# Altium PCB STM32F103最小系统板V1_0.PcbDoc (part 1 of 2) (continued)
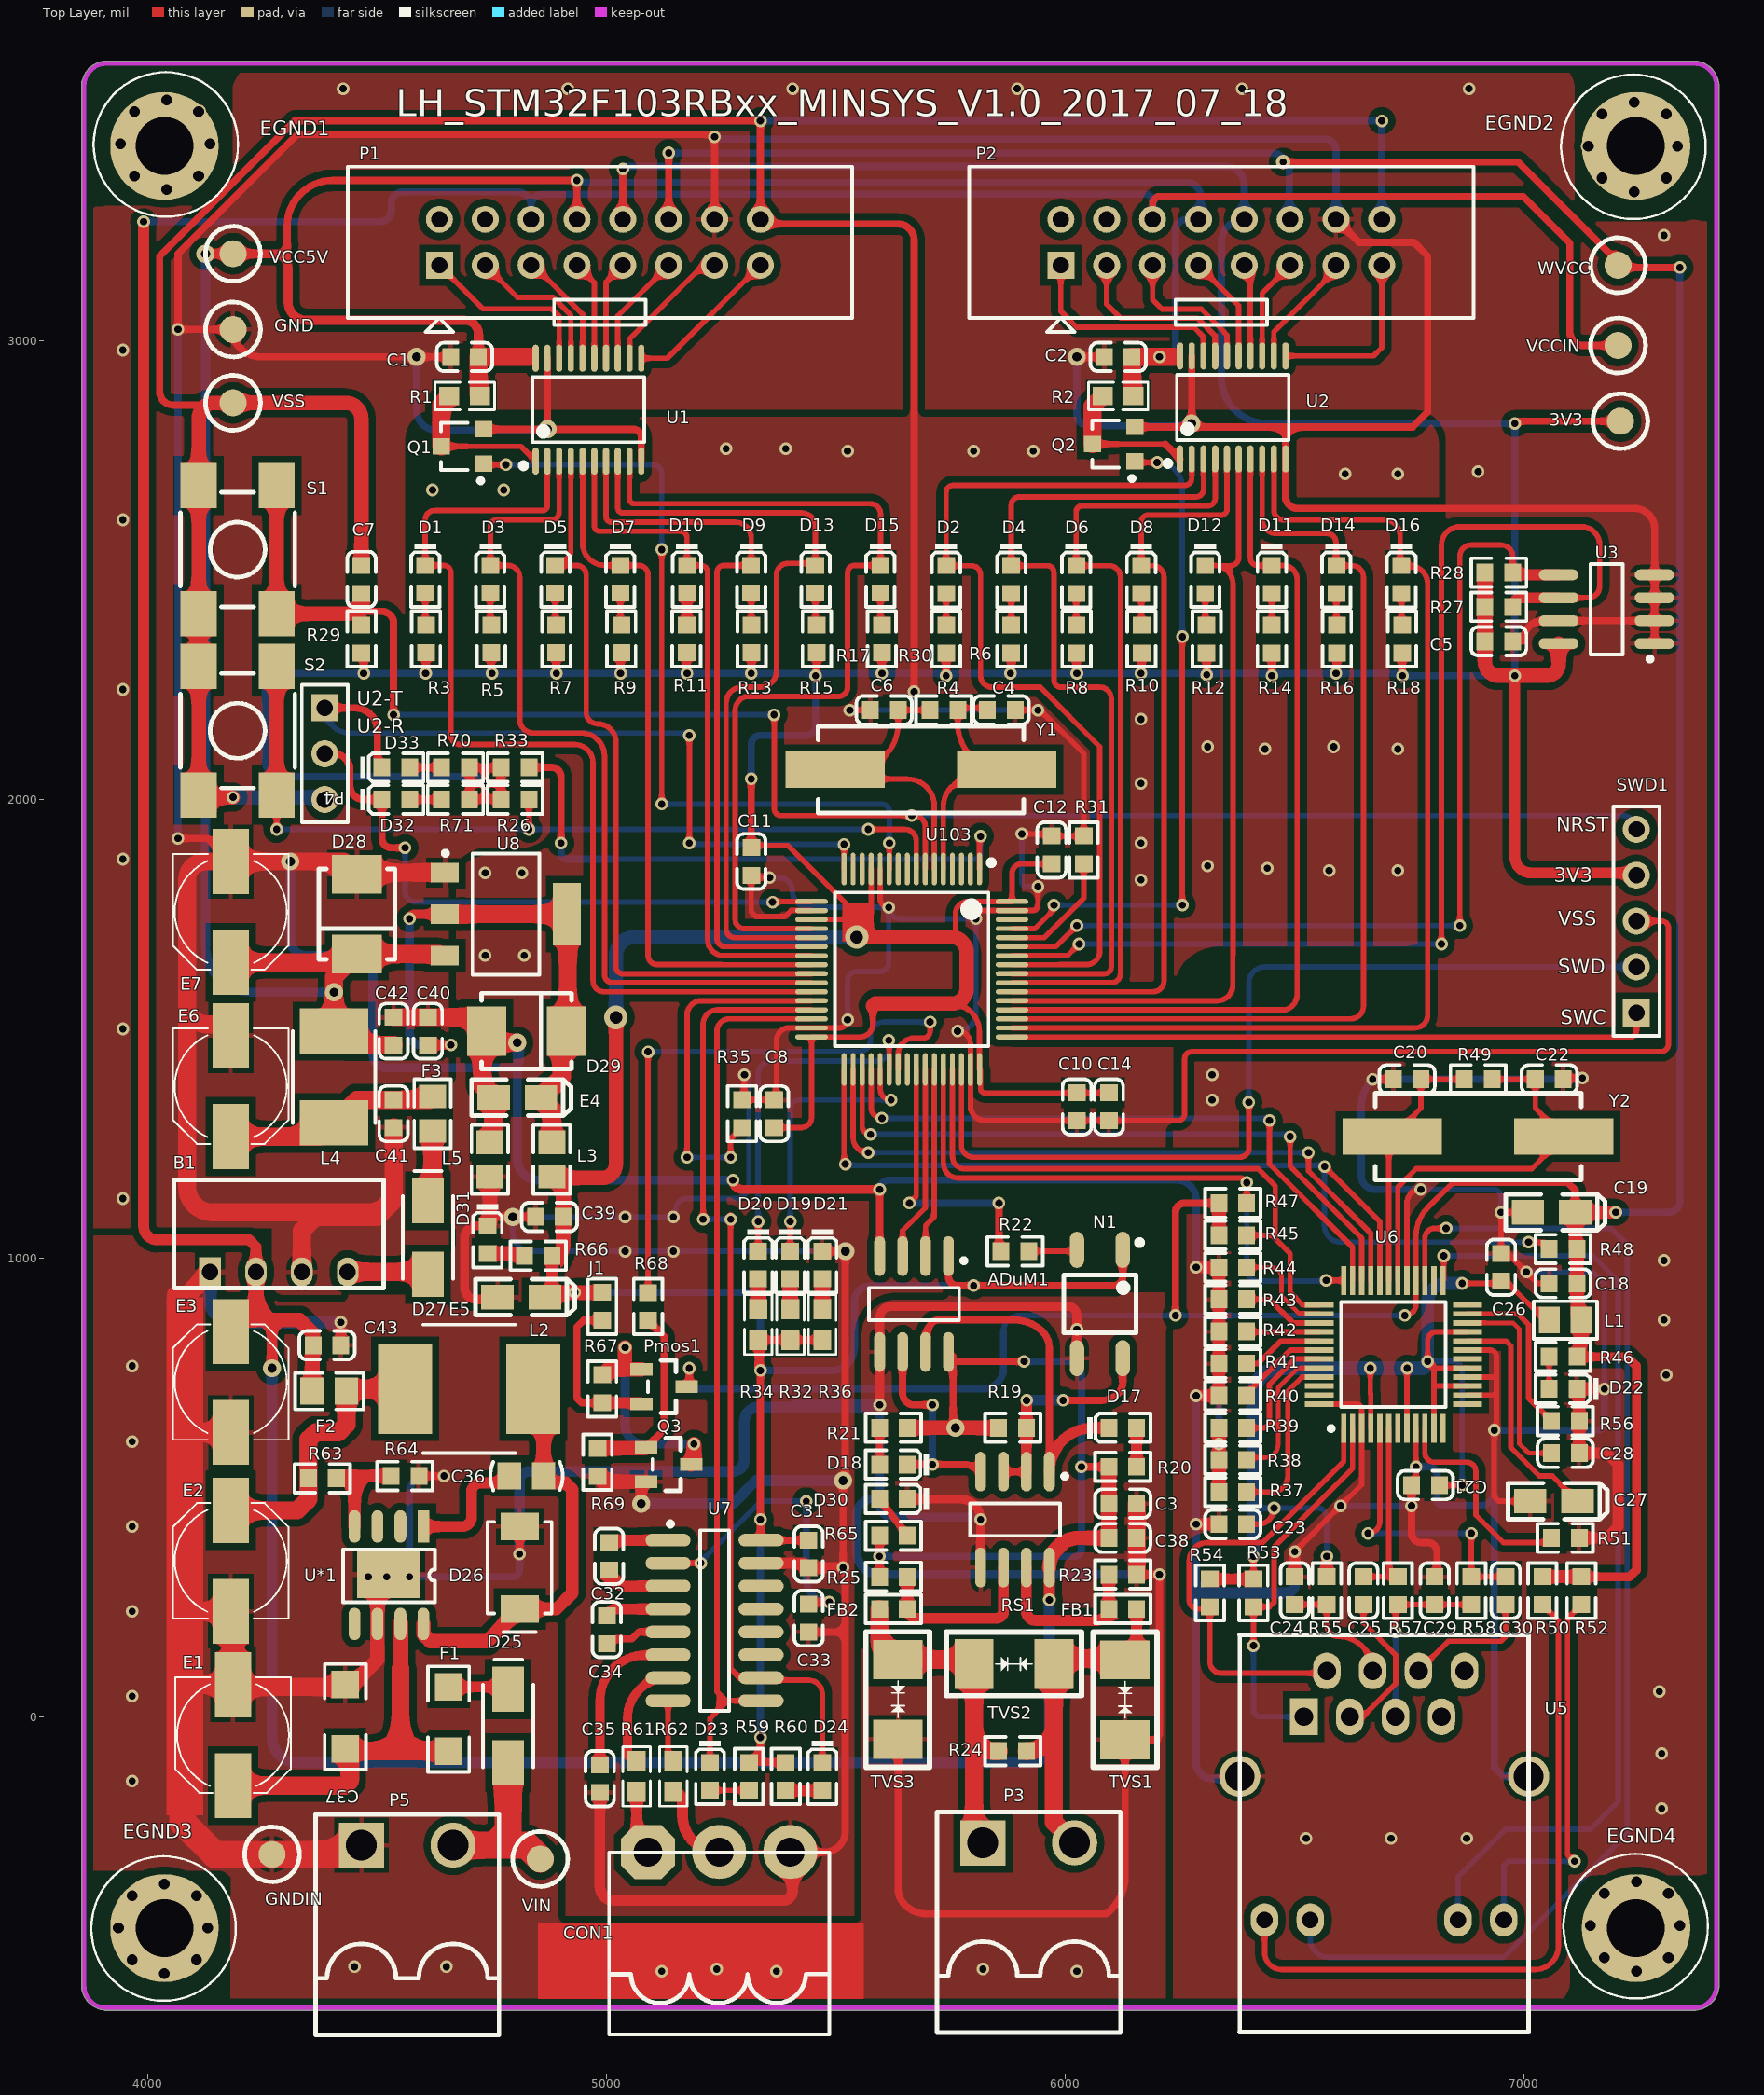
[diagram p0: Top Layer view]
## Footprints (in the part's own frame and the unit in brackets; to place one, negate y for a bottom-side part, rotate by r counter-clockwise, add the part's x,y. Pads: shape width x height; smd on the part's side, far side on the other; paste and mask are expansions set on the pad)
0603-1 [mm] "0603带丝印"
  rect 1.1x1 smd: 1(-0.85,0) 2(0.85,0)
  silkscreen extent -1.65,-0.76 1.65,0.76, body extent -0.8,-0.4 0.8,0.4, height 0.3
0805-1 [mm] "0805带丝印"
  rect 1.3x1.5 smd: 1(-0.95,0) 2(0.95,0)
  silkscreen extent -1.91,-1.02 1.91,1.02, body extent -1,-0.62 1,0.63, height 0.5
1206 [mil] "贴片元件"
  rect 60x60 smd: 1(-70,0) 2(70,0)
  silkscreen extent -115,-45 115,45, body extent -75,-35 75,35, height 39
B0505D-1WR2 [mm]
  rect 1.2x1.6 hole 0.9: 1(0,0)
  oval 1.2x1.6 hole 0.9: 2(2.54,0) 3(5.08,0) 4(7.62,0)
  silkscreen extent -1.99,-0.9 9.61,5.1
C-0805 [mm] "贴片电容"
  rect 1.3x1.5 smd: 1(-0.95,0) 2(0.95,0)
  silkscreen extent -2,-0.79 2,0.79, body extent -1,-0.6 1,0.6, height 0.95
C-RB-SD6 [mm] "贴片铝电解"
  rect 3.6x2 smd: 1(-2.794,0) 2(2.794,0)
  silkscreen extent -3.2,-3.2 3.2,3.2
CHECK-B [mm] "测试点"
  round 1.5 smd: 1(0,0)
  silkscreen extent -1.52,-1.52 1.52,1.52
D-SMA [mm] "贴片二极管"
  rect 2.5x1.75 smd: 1(-2.032,0) 2(2.032,0)
  silkscreen extent -2.29,-1.4 3.68,1.4
D-SMB [mil] "DO-214-AA/SMB;"
  rect 60x83 smd: 1(-90,0) 2(90,0)
  silkscreen extent -100,-70 140,70
DC3-16P-2.54mm [mm] "简易牛角座直"
  rect 1.5x1.5 hole 0.9: 1(8.89,1.27)
  round 1.5 hole 0.9: 2(8.89,-1.27) 3(6.35,1.27) 4(6.35,-1.27) 5(3.81,1.27) 6(3.81,-1.27) 7(1.27,1.27) 8(1.27,-1.27) 9(-1.27,1.27) 10(-1.27,-1.27) 11(-3.81,1.27) 12(-3.81,-1.27) 13(-6.35,1.27) 14(-6.35,-1.27) 15(-8.89,1.27) 16(-8.89,-1.27)
  silkscreen extent -13.97,-4.19 13.97,4.95
H-6-3.2m#1 [mm]
  round 6 hole 3.2: 0(-0.116,-0.122)
  silkscreen extent -4.04,-4.04 3.96,3.96
H-6-3.2m#2 [mm]
  round 6 hole 3.2: 0(0.104,0.005)
  silkscreen extent -4.04,-4.04 3.96,3.96
H-6-3.2m#3 [mm]
  round 6 hole 3.2: 0(0.011,-0.016)
  silkscreen extent -4.04,-4.04 3.96,3.96
H-6-3.2m#4 [mm]
  round 6 hole 3.2: 0(-0.023,-0.143)
  silkscreen extent -4.04,-4.04 3.96,3.96
HDR1X5 [mm] "Connector; Header; 5 Position"
  rect 1.5x1.5 hole 0.9: 1(0,0)
  round 1.5 hole 0.9: 2(2.54,0) 3(5.08,0) 4(7.62,0) 5(10.16,0)
  silkscreen extent -1.27,-1.27 11.43,1.27
HDR3X1-2.54 [mm] "2.54单排针排座"
  rect 1.5x1.5 hole 0.9: 1(0,0)
  round 1.5 hole 0.9: 2(2.54,0) 3(5.08,0)
  silkscreen extent -1.27,-1.27 6.35,1.27, body extent -1.27,-1.27 6.35,1.27, height 8.54
HR911105A [mil]
  rect 80x60 hole 40: 1(-130,-490)
  oval 80x60 hole 40: 2(-230,-440) 3(-130,-390) 4(-230,-340) 5(-130,-290) 6(-230,-240) 7(-130,-190) 8(-230,-140)
  oval 72x60 hole 36: 9(312.91,-575.63) 10(312.91,-476) 11(312.91,-154.13) 12(312.91,-54)
  round 90 hole 65: 13(-0.08,-629.76) 14(-0.08,0.16)
  silkscreen extent -309,-630 557,0
L-SMD-3 [mm] "贴片电感3.8"
  rect 2.5x3.8 smd: 1(-2.54,0) 2(2.54,0)
  silkscreen extent -2.54,-2.29 2.54,2.29, body extent -2.54,-1.91 2.54,1.91, height 4
L-SMD-7 [mm] "贴片电感7*7"
  rect 3x5 smd: 1(-3.556,0) 2(3.556,0)
  silkscreen extent -2.54,-3.56 2.54,3.56, body extent -3.56,-3.56 3.56,3.56, height 4
LC-0603_C [mm]
  rect 0.93x0.98 smd: 1(-0.77,0) 2(0.77,0)
  silkscreen extent -1.53,-0.79 1.54,0.79, body extent -0.8,-0.4 0.8,0.4, height 0.3
LC-0603_L [mm]
  rect 0.93x0.98 smd: 1(-0.77,0) 2(0.77,0)
  silkscreen extent -1.53,-0.79 1.54,0.79, body extent -0.82,-0.41 0.83,0.41, height 0.46
LC-0603_LED_S1 [mm]
  rect 0.93x0.98 smd: A(0.77,0) K(-0.77,0)
  silkscreen extent -1.97,-0.79 1.54,0.79, body extent -0.8,-0.4 0.8,0.4, height 0.6
LC-0603_R [mm]
  rect 0.93x0.98 smd: 1(-0.77,0) 2(0.77,0)
  silkscreen extent -1.53,-0.79 1.54,0.79, body extent -0.85,-0.4 0.85,0.4, height 0.56
LC-0805_L [mm]
  rect 1.16x1.47 smd: 1(-0.875,0) 2(0.875,0)
  silkscreen extent -1.75,-1.03 1.75,1.04, body extent -1,-0.64 1,0.64, height 0.6
LC-CASE-A_3216 [mm]
  rect 1.8x1.35 smd: 1(1.31,0) 2(-1.31,0)
  silkscreen extent -2.54,-1 2.97,1, body extent -1.7,-0.84 1.7,0.84, height 1.71
LC-HC-49SMD [mm]
  rect 5.5x2 smd: 1(-4.75,0) 2(4.75,0)
  silkscreen extent -5.7,-2.4 5.7,2.4, body extent -6.7,-2.46 6.7,2.44, height 4
LC-LQFP-64_10x10x05P [mm]
  oval 0.28x1.8 smd mask+0.051: 1(-3.75,-5.55) 2(-3.25,-5.55) 3(-2.75,-5.55) 4(-2.25,-5.55) 5(-1.75,-5.55) 6(-1.25,-5.55) 7(-0.75,-5.55) 8(-0.25,-5.55) 9(0.25,-5.55) 10(0.75,-5.55) 11(1.25,-5.55) 12(1.75,-5.55) 13(2.25,-5.55) 14(2.75,-5.55) 15(3.25,-5.55) 16(3.75,-5.55) 33(3.75,5.55) 34(3.25,5.55) 35(2.75,5.55) 36(2.25,5.55) 37(1.75,5.55) 38(1.25,5.55) 39(0.75,5.55) 40(0.25,5.55) 41(-0.25,5.55) 42(-0.75,5.55) 43(-1.25,5.55) 44(-1.75,5.55) 45(-2.25,5.55) 46(-2.75,5.55) 47(-3.25,5.55) 48(-3.75,5.55)
  oval 1.8x0.28 smd mask+0.051: 17(5.55,-3.75) 18(5.55,-3.25) 19(5.55,-2.75) 20(5.55,-2.25) 21(5.55,-1.75) 22(5.55,-1.25) 23(5.55,-0.75) 24(5.55,-0.25) 25(5.55,0.25) 26(5.55,0.75) 27(5.55,1.25) 28(5.55,1.75) 29(5.55,2.25) 30(5.55,2.75) 31(5.55,3.25) 32(5.55,3.75) 49(-5.55,3.75) 50(-5.55,3.25) 51(-5.55,2.75) 52(-5.55,2.25) 53(-5.55,1.75) 54(-5.55,1.25) 55(-5.55,0.75) 56(-5.55,0.25) 57(-5.55,-0.25) 58(-5.55,-0.75) 59(-5.55,-1.25) 60(-5.55,-1.75) 61(-5.55,-2.25) 62(-5.55,-2.75) 63(-5.55,-3.25) 64(-5.55,-3.75)
  silkscreen extent -4.55,-6.05 4.25,4.25
LC-SMB(DO-214AA)_S1 [mil]
  rect 85x107.99 smd: 1(87.01,0) 2(-87.01,0)
  silkscreen extent -98,-83 98,83
lc-sop-4_P2.54 [mm]
  oval 2x0.8 smd: 1(-3,1.27) 2(-3,-1.27) 3(3,-1.27) 4(3,1.27)
  silkscreen extent -3.55,-2 1.6,2.35
LC-SOT-23(SOT-23-3) [mm]
  rect 1.25x0.7 smd: 1(1.25,-0.95) 2(1.25,0.95) 3(-1.25,0)
  silkscreen extent -0.65,-1.46 0.9,1.46, body extent -1.5,-1.5 1.5,1.5, height 1.3
LC-TSSOP-20 [mm]
  oval 0.35x1.5 smd: 1(-2.925,-2.85) 2(-2.275,-2.85) 3(-1.625,-2.85) 4(-0.975,-2.85) 5(-0.325,-2.85) 6(0.325,-2.85) 7(0.975,-2.85) 8(1.625,-2.85) 9(2.275,-2.85) 10(2.925,-2.85) 11(2.925,2.85) 12(2.275,2.85) 13(1.625,2.85) 14(0.975,2.85) 15(0.325,2.85) 16(-0.325,2.85) 17(-0.975,2.85) 18(-1.625,2.85) 19(-2.275,2.85) 20(-2.925,2.85)
  silkscreen extent -3.75,-3.25 3.1,1.8
LQFP48 [mm]
  rect 0.3x1.6 smd: 1(2.75,4.1) 2(2.25,4.1) 3(1.75,4.1) 4(1.25,4.1) 5(0.75,4.1) 6(0.25,4.1) 7(-0.25,4.1) 8(-0.75,4.1) 9(-1.25,4.1) 10(-1.75,4.1) 11(-2.25,4.1) 12(-2.75,4.1) 25(-2.75,-4.1) 26(-2.25,-4.1) 27(-1.75,-4.1) 28(-1.25,-4.1) 29(-0.75,-4.1) 30(-0.25,-4.1) 31(0.25,-4.1) 32(0.75,-4.1) 33(1.25,-4.1) 34(1.75,-4.1) 35(2.25,-4.1) 36(2.75,-4.1)
  rect 1.6x0.3 smd: 13(-4.1,2.75) 14(-4.1,2.25) 15(-4.1,1.75) 16(-4.1,1.25) 17(-4.1,0.75) 18(-4.1,0.25) 19(-4.1,-0.25) 20(-4.1,-0.75) 21(-4.1,-1.25) 22(-4.1,-1.75) 23(-4.1,-2.25) 24(-4.1,-2.75) 37(4.1,-2.75) 38(4.1,-2.25) 39(4.1,-1.75) 40(4.1,-1.25) 41(4.1,-0.75) 42(4.1,-0.25) 43(4.1,0.25) 44(4.1,0.75) 45(4.1,1.25) 46(4.1,1.75) 47(4.1,2.25) 48(4.1,2.75)
  silkscreen extent -2.9,-2.9 3.57,4.22
SOIC8 [mm]
  rect 1.8x0.65 smd: 1(0,0)
  oval 1.8x0.65 smd: 2(0,-1.27) 3(0,-2.54) 4(0,-3.81) 5(5.4,-3.81) 6(5.4,-2.54) 7(5.4,-1.27) 8(5.4,0)
  rect 2.6x3.51 smd: 9(2.667,-1.905)
  silkscreen extent 1.27,-4.44 4.19,0.64
SOIC-8 [mm]
  oval 2.2x0.6 smd: 1(-2.654,1.905) 2(-2.654,0.635) 3(-2.654,-0.635) 4(-2.654,-1.905) 5(2.654,-1.905) 6(2.654,-0.635) 7(2.654,0.635) 8(2.654,1.905)
  silkscreen extent -2.52,-2.5 0.9,2.88, body extent -3,-2.45 3,2.45, height 1.7
SOIC-16 [mm]
  oval 2.5x0.7 smd: 1(-2.577,4.445) 2(-2.577,3.175) 3(-2.577,1.905) 4(-2.577,0.635) 5(-2.577,-0.635) 6(-2.577,-1.905) 7(-2.577,-3.175) 8(-2.577,-4.445) 9(2.577,-4.445) 10(2.577,-3.175) 11(2.577,-1.905) 12(2.577,-0.635) 13(2.577,0.635) 14(2.577,1.905) 15(2.577,3.175) 16(2.577,4.445)
  silkscreen extent -2.57,-5 0.8,5.47, body extent -2.88,-4.92 2.92,4.88, height 1.75
SOT23-3 [mm]
  rect 0.9x0.95 smd: 1(-0.95,-1.175) 2(0.95,-1.175) 3(0,1.175)
  silkscreen extent -2.03,-1.14 1.3,1.18, body extent -1.45,-1.4 1.45,1.4, height 1.2
SOT223 [mm]
  rect 1.1x1.55 smd: 1(-2.3,-3.375) 2(0,-3.375) 3(2.3,-3.375)
  rect 3.45x1.55 smd: 4(0,3.375)
  silkscreen extent -3.5,-3.48 3.35,1.85, body extent -3.25,-3.48 3.25,3.48, height 1.7
SW_PB4_A1 [mil]
  rect 98.42x78.74 smd: 1(-140,85) 2(-140,-85) 3(140,-85) 4(140,85)
  silkscreen extent -125,-125 125,125, body extent -125,-125 125,125, height 236
TVS [mil]
  rect 85x107.99 smd: 1(0.98,0) 2(175,0)
  silkscreen extent -60,-69 235,70
VH3.96-W-3P [mm]
  oct 3x3 hole 1.6: 1(0,0)
  round 3 hole 1.6: 2(3.937,0) 3(7.874,0)
  silkscreen extent -2.16,-10.11 10.03,-0.03
WJ2EDGR508-2 [mm]
  rect 2.5x2.5 hole 1.7: 1(0,0)
  round 2.5 hole 1.7: 2(5.08,0)
  silkscreen extent -2.54,-10.5 7.62,1.7

## Part data
3V3 GND GNDIN VCC5V VCCIN VIN VSS WVCC: "测试点"
C1 C2 C4 C6 C7 C18 C20 C22 C38 C43: library part Cap, "Capacitor"
C3: library part CAP
C5 C8 C10 C11 C12 C14 C21 C23 C24 C25 C26 C28 C29 C30 C31 C32 C33 C34 C35 C36 C37 C39 C40 C41 C42: library part CAP, "Capacitor"
C19 C27: library part "Cap Pol3", "Polarized Capacitor (Surface Mount)"
CON1: "Connector"
D1 D2 D3 D4 D5 D6 D7 D8 D9 D10 D11 D12 D13 D14 D15 D16 D22: library part "0603 蓝灯", "发光二极管"
D17 D18 D19 D20 D21 D23 D24 D31 D32 D33: library part "0603 绿灯", "发光二极管"
D25 D27: library part Diode, "二极管"
D26: "稳压二极管"
D28 D29: library part ZENER3, "Zener Diode"
D30: library part "0603 红灯", "发光二极管"
E1 E2 E3 E4 E5 E6 E7: library part ELECTRO2, "Electrolytic Capacitor"
F1: "可恢复保险丝"
F2 F3: library part "Fuse 1", "Fuse"
FB1 FB2 R26 R27 R28 R29 R30 R37 R38 R39 R40 R41 R42 R43 R44 R45 R46 R47 R48 R49 R50 R51 R52 R53 R54 R55 R56 R57 R58 R61 R62 R66 R67 R70 R71: library part Res2, "Resistor"
J1 R23 R24 R25 R68 R69: library part RES
L1: library part Inductor, "Inductor"
L2 L3 L4 L5: "电感"
N1: library part ST188, "反射式光电传感器"
P1 P2 P4: "接插件"
P3 P5: "Header, 2-Pin"
Pmos1: library part N-MOS
Q1 Q2: library part NPN1, "贴片三极管"
Q3: library part NPN
R1 R2: "贴片电阻"
R3 R4 R5 R6 R7 R8 R9 R10 R11 R12 R13 R14 R15 R16 R17 R18 R65: library part "0603 1.5KΩ (1501) 1%", "贴片电阻"
R19 R20 R21 R22 R31 R35 R59 R60 R63 R64: library part RES2
R32 R33 R34 R36: library part R, "贴片电阻"
S1 S2: library part SW-, "微动开关"
SWD1: "Header, 5-Pin"
TVS1 TVS2 TVS3: library part TVS, "TVS"
U1 U2: library part 7
U3: library part AT2, "EEROM存储器"
U6: "W5500以太网芯片"
U7: library part MAX232, "+5V Powered, Multi-Channel RS-232 Driver/Receiver"
U8: library part ASM1, "3.3V稳压芯片"
U103: library part STM32F103RBT6
Y1 Y2: library part XTAL, "Crystal Oscillator"

## Via types
v1: diameter 27.56, hole 15.75, Top Layer to Bottom Layer, 227 vias
v2: diameter 31.5, hole 23.62, Top Layer to Bottom Layer, 32 vias
v3: diameter 39.37, hole 19.68, Top Layer to Bottom Layer, 14 vias
v4: diameter 51.18, hole 27.56, Top Layer to Bottom Layer, 2 vias
v5: diameter 31.5, hole 15.75, Top Layer to Bottom Layer, 1 vias

## Nets (pads, with @x,y where several pads share a name; then routed paths per layer and width w, separated by ;. In a path a pad name is that pad's centre, name@x,y a point inside that pad or via, vN(x,y) a via of type N, cw(c..) or ccw(c..) an arc to the next point about the centre after c; other vN are vias at no path point)
3V3: 3V3.1 ADuM1.1 C5.1 C8.2 C10.2 C11.2 C12.2 C14.2 C31.2 C39.2 E5.1 J1.2 L3.2 N1.1 P1.10 P2.10 R3.1 R4.1 R5.1 R6.1 R7.1 R8.1 R9.1 R10.1 R11.1 R12.1 R13.1 R14.1 R15.1 R16.1 R17.1 R18.1 R26.1 R27.1 R28.1 R29.2 R32.1 R33.2 R34.1 R36.2 R59.2 R60.1 R66.1 R70.1 R71.1 SWD1.4 U3.8 U7.16 U103.13 U103.19 U103.32 U103.48 U103.64 | length 16904.8
  Top Layer w11.81: C11.2@5315,1890.31 5324.69,1900 5395,1900 5520,1775 5520,1745 5515,1740 ; C8.2@5365,1284.68 5425,1284.68 5425,1285 ccw(c5425,1306.5) 5446.5,1306.5 U103.32@5446.5,1482.36 5552.36,1482.36 ccw(c5552.36,1510) 5580,1510 5580,1550 ; U103.19@5446.5,1738.27 5513.27,1738.27 ; v4(5545,1700) 5545,1706.54 ccw(c5513.27,1706.54) 5513.27,1738.27 ; 5575,1700 5575,1745.91 ; U103.13@5576.42,1848.5 5576.42,1770 ; 5750.86,1555 cw(c5750.86,1493.22) 5812.64,1493.22 U103.48@5812.64,1411.5 cw(c5812.64,1409.13) 5815,1409.13 5815,1370 ccw(c5824.69,1370) 5824.69,1360.31 C10.2@6025,1360.31 C14.2@6095,1360.31 ; 5750.86,1700 ccw(c5750.86,1709.14) 5760,1709.14 5760,1750 cw(c5787.64,1750) 5787.64,1777.64 U103.64@5883.5,1777.64 5883.5,1838.5 cw(c5904.69,1838.5) 5904.69,1859.69 C12.2@5970,1859.69 ; 5513.27,1738.27 cw(c5515,1738.27) 5515,1740 ; 5513.27,1738.27 5515,1740 ; 5515,1740 5565,1740 ccw(c5565,1751.42) 5575,1745.91 ; 5575,1745.91 ccw(c5565,1751.42) 5576.42,1751.42 5576.42,1770 ; 5575,1745.91 5575,1768.58 cw(c5576.42,1768.58) 5576.42,1770
  Top Layer w15.75: R29.2@4465,2319.68 4470,2314.68 v1(4470,2275) ; v1@4605.83,2270.83 R3.1@4605.83,2320 ; v1@4747.83,2272.17 R5.1@4747.83,2320 ; v1@4889.83,2275 R7.1@4889.83,2320 ; v1(5030,2275) 5030,2318.17 R9.1@5031.83,2320 ; P1.10@5035,3265 cw(c5035,3270) 5030,3270 5035,3275 v1(5035,3375) ; R11.1@5173.83,2320 v1(5175,2275) ; C11.2@5315,1895.31 v1(5315,2045) ; v1@5315.83,2275.83 R13.1@5315.83,2320 ; v1(5335,-45) 5335,-74.68 ; R60.1@5390,-99.69 5355,-99.69 ; C31.2@5439.69,385 U7.16@5336.46,385 cw(c5336.46,386.46) 5335,386.46 v1(5335,430) v1(5335,755) ; v1@5457.83,2272.83 R15.1@5457.83,2320 ; R36.2@5470,821.54 R32.1@5400,821.54 R34.1@5330,821.54 ; v1@5599.83,2275 R17.1@5599.83,2320 ; v1(5740,2270) R4.1@5740,2319.69 ; ADuM1.1@5745,1004.49 5745,960 ccw(c5765,960) 5765,940 v1(5800,940) 6105,940 ccw(c6105,960) 6125,960 N1.1@6125,1018.11 ; v1(5880,2275) 5882,2277 R6.1@5882,2319.69 ; v1@6024,2276 R8.1@6024,2319.69 ; v1@6166,2276 R10.1@6166,2319.69 ; v1(6308,2272) R12.1@6308,2319.69 ; v1(6450,2270) R14.1@6450,2319.69 ; v1@6592,2277 R16.1@6592,2319.69 ; v1@6734,2271 R18.1@6734,2319.69 ; v1(6980,2820) cw(c6985,2820) 6985,2825 3V3.1@7210,2825 ; 4700.31,2035 R71.1@4700.31,2070 4735,2070 ; 4700.31,2035 R70.1@4700.31,2000 4735,2000 ; 4700.31,2035 v1(4735,2035) ; 4735,2000 R33.2@4769.68,2000 4769.69,2035 ; 4735,2000 v1(4735,2035) ; v1(4735,2035) 4769.69,2035 ; v1(4735,2035) 4735,2070 ; 4735,2070 R26.1@4769.69,2070 4769.69,2035 ; R34.1@5330,821.54 cw(c5330,816.54) 5335,816.54 v1(5335,755) ; R34.1@5330,821.54 5330,760 ccw(c5335,760) v1(5335,755) ; 5335,-99.69 5355,-99.69 ; 5335,-99.69 5335,-79.69 ; 5335,-99.69 R59.2@5310,-99.68 5335,-74.68 ; 5335,-79.69 ccw(c5355,-79.69) 5355,-99.69 ; 5335,-79.69 5335,-74.68
  Top Layer w23.62: E5.1@4880.63,930.63 R66.1@4880.63,1005 ; v1(6980,2270) 6980,1875 ccw(c7015,1875) 7015,1840 7240,1840 cw(c7240,1835) SWD1.4@7245,1835
  Top Layer w31.5: E5.1@4870,925 v1(4930,925) J1.2@4980.32,925 ; R66.1@4880.63,1005 ccw(c4880.63,1029.69) 4905.32,1029.69 C39.2@4905.31,1090 4905.31,1152.28 ccw(c4880,1152.28) L3.2@4891.17,1175 ; L3.2@4896.17,1170 L3.2@4891.17,1175 ; v4(5020,1525) 5020,1205 cw(c4990,1205) 4990,1175 L3.2@4891.17,1175 ; v4(5545,1700) 5575,1700 5750.86,1700 cw(c5750.86,1665.86) 5785,1665.86 5785,1589.14 cw(c5750.86,1589.14) 5750.86,1555 5585,1555 5580,1550 ; R28.1@6914.69,2495 C5.1@6914.69,2345 6914.69,2300.31 ccw(c6945,2300.31) 6945,2270 v1(6980,2270) 7050,2270 ccw(c7050,2295.51) 7075.51,2295.51 U3.8@7075.51,2340 ; L3.2@4880,1177.6 cw(c4880,1152.28) L3.2@4891.17,1175 ; L3.2@4880,1177.6 ccw(c4882.6,1177.6) L3.2@4882.6,1175 ; L3.2@4880,1177.6 ccw(c4882.6,1177.6) L3.2@4882.6,1175 ; L3.2@4882.6,1175 L3.2@4891.17,1175
  Bottom Layer w15.75: v1@4465,2280 cw(c4465,2275) v1(4470,2275) ; v1(4735,2035) ccw(c4720,2035) 4720,2050 4290,2050 cw(c4290,2085) 4255,2085 4255,2235 cw(c4295,2235) 4295,2275 v1(4470,2275) ; v1(4930,925) 5310,925 cw(c5310,900) 5335,900 v1(5335,755) 5490,755 ccw(c5490,805) 5540,805 5540,905 cw(c5575,905) 5575,940 v1(5800,940) ; v1(5035,3375) 5035,3375.94 5039.53,3380.47 6349.53,3380.47 cw(c6349.53,3340) 6390,3340 P2.10@6390,3265 ; v1(5315,2045) 5315,2120 cw(c5335,2120) 5335,2140 5435,2140 ccw(c5435,2160) 5455,2160 v1(5455,2270) ; v1(5335,-45) v1(5335,430) ; P2.10@6390,3250 P2.10@6390,3265 ; v1(4470,2275) v1(4605,2275) v1(4750,2275) v1(4890,2275) v1(5030,2275) v1(5175,2275) v1(5315,2275) v1(5600,2275) v1(5880,2275) v1(6025,2275) v1(6165,2275) v1(6590,2275) 6730,2275 v1(6735,2270) v1(6980,2270) v1(6980,2820) 6440,2820 cw(c6440,2920) 6340,2920 6340,3215 cw(c6390,3215) P2.10@6390,3265 ; v1(5335,430) cw(c5340,430) 5340,435 ccw(c5340,430) v1(5335,430)
  Bottom Layer w31.5: v4(5020,1525) 5020,1660 cw(c5060,1660) 5060,1700 v4(5545,1700)
245DIRC1: Q1.1 U103.11 | length 1752.5
  Top Layer w11.81: Q1.1@4731.26,2732.6 ccw(c4733.86,2732.6) 4733.86,2730 v1(4780,2730) ; v1(5120,1990) v1(5120,2545) ; U103.11@5615.79,1848.5 5616.18,1848.9 v1(5616.18,1905)
  Bottom Layer w11.81: v1(4780,2730) 5100,2730 cw(c5100,2710) 5120,2710 v1(5120,2545) ; v1(5120,1990) 5600,1990 cw(c5600,1973.82) 5616.18,1973.82 v1(5616.18,1905)
245DIRC2: Q2.1 U103.61 | length 1453.5
  Top Layer w11.81: U103.61@5883.5,1718.58 5933.58,1718.58 5975,1760 v1(5975,1770) ; Q2.1@6151.26,2737.6 ccw(c6153.86,2737.6) 6153.86,2735 v1(6200,2735) ccw(c6197.4,2735) v1@6197.4,2737.6 ; v1(6255,1770) 6255,2345 6250,2350 v1(6255,2355)
  Bottom Layer w11.81: v1(5975,1770) v1(6255,1770) ; v1(6200,2735) cw(c6200,2680) 6255,2680 v1(6255,2355)
/INT: R47.2 U6.36 U103.44 | length 1350
  Top Layer w11.81: U103.44@5733.9,1411.5 5733.9,1205.71 5734.29,1205.71 ccw(c5765,1205.71) 5765,1175 6385,1175 v1(6395.32,1164.68) R47.2@6395.32,1120 ; v1(6568.58,951.42) U6.36@6606.73,951.42
  Bottom Layer w11.81: v1(6395.32,1164.68) 6395.32,974.68 ccw(c6420,974.68) 6420,950 6567.16,950 ccw(c6567.16,951.42) v1(6568.58,951.42)
/RESET: R45.2 U6.37 U103.45 | length 1321.3
  Top Layer w11.81: U103.45@5753.58,1411.5 5753.58,1221.02 5753.98,1221.02 ccw(c5780,1221.02) 5780,1195 6420,1195 6457.5,1157.5 6457.5,1057.5 ; R45.2@6395.32,1050 6450,1050 ; U6.37@6553.58,898.27 6516.73,898.27 6490,925 6490,1010 6457.5,1042.5 ; 6450,1050 6457.5,1057.5 ; 6450,1050 6457.5,1042.5 ; 6457.5,1042.5 6457.5,1057.5
/SPI_SCS: R48.2 U6.32 U103.33 | length 2201.8
  Top Layer w11.81: v1@5517.36,1200 U103.33@5517.36,1411.5 ; v1(6565,1200) 6685.47,1079.53 U6.32@6685.47,951.42 ; v1(7010,1035) 7039.68,1035 cw(c7039.68,1020) R48.2@7054.68,1020
  Bottom Layer w11.81: v1@5522.44,1202.44 6562.56,1202.44 v1(6565,1200) 6565,1070 ccw(c6600,1070) 6600,1035 v1(7010,1035)
  other v1: 5520,1205
A3.3V: C21.2 C23.2 C26.1 L1.2 R53.1 R54.1 R55.1 U6.4 U6.8 U6.11 U6.15 U6.17 U6.21 | length 2863.9
  Top Layer w11.81: C23.2@6395.31,420 6420,420 ccw(c6420,455) v1(6455,455) ; R53.1@6410,300.31 v1(6410,350) ; v1(6665,760) 6665,705 cw(c6665,704.21) 6665.79,704.21 U6.4@6665.79,628.58 ; U6.8@6744.53,628.58 v1@6744.53,760 ; U6.11@6803.58,628.58 6803.58,720 ; C21.2@6815.31,505 v1(6865,505) ; v1(6865,945) 6965.31,945 7045.32,865 L1.2@7055.55,865 ; U6.15@6876.42,721.1 6804.68,721.1 ccw(c6804.68,720) 6803.58,720 ; U6.17@6876.42,760.47 6804.53,760.47 cw(c6804.53,775) 6803.58,760.5 ; U6.21@6876.42,839.21 6809.21,839.21 ccw(c6809.21,820) 6790,820 v1(6790,775) ; v1(6790,775) ccw(c6804.53,775) 6803.58,760.5 ; v1(6790,775) cw(c6790,761.42) 6803.58,761.42 6803.58,760.5 ; 6803.58,720 6803.58,760.5
  Top Layer w23.62: R54.1@6315,300.31 R53.1@6410,300.31 ; R55.1@6570,305.31 v1(6570,350)
  Bottom Layer w11.81: 6410,455 v1(6455,455) 6550,455 cw(c6550,435) 6570,435 v1(6570,350) ; v1(6790,775) 6845,775 cw(c6845,755) 6865,755 v1(6865,505)
  Bottom Layer w27.56: v1(6410,350) 6410,455 6410,653.79 ; v1(6790,775) 6790,905 cw(c6830,905) 6830,945 v1(6865,945)
  Bottom Layer w31.5: 6410,653.79 6410,700 cw(c6470,700) 6470,760 6775,760 ccw(c6775,775) v1(6790,775)
  other v1: 6745,760
ACTLED: U5.10 U6.27 | length 2712.7
  Top Layer w11.81: U6.27@6783.9,951.42 6783.9,1043.9 cw(c6805,1043.9) 6805,1065 v1(6830,1065)
  Bottom Layer w11.81: U5.10@6534,-442.91 6534,-484.51 ccw(c6574.49,-484.51) 6574.49,-525 6955,-525 7225,-255 7225,1030 7190,1065 v1(6830,1065)
AT_SCL: R27.2 U3.6 U103.58 | length 2518.1
  Top Layer w11.81: U103.58@5883.5,1659.53 5979.17,1659.53 5979.33,1659.69 6004.69,1659.69 v1(6030,1685) ; v1(6820,1685) 6820,2555 cw(c6860,2555) 6860,2595 ; 6855,2595 6860,2595 ; U3.6@7075.51,2440 7140,2440 ccw(c7140,2465) 7165,2465 7165,2555 ccw(c7125,2555) 7125,2595 6860,2595
  Top Layer w23.62: R27.2@6975.32,2420 cw(c6995.32,2420) 6995.32,2440 U3.6@7075.51,2440
  Bottom Layer w11.81: v1(6030,1685) v1(6820,1685)
AT_SDA: R28.2 U3.5 U103.59 | length 2082.2
  Top Layer w11.81: U103.59@5883.5,1679.21 5971.02,1679.21 5971.18,1679.37 5979.37,1679.37 v1(6025,1725) ; v1(6860,1725) 6860,2530 cw(c6885,2530) 6885,2555 6950,2555 cw(c6950,2529.68) 6975.32,2529.68 R28.2@6975.32,2495
  Top Layer w19.68: R28.2@6975.32,2495 ccw(c6980.32,2495) R28.2@6980.32,2490
  Top Layer w23.62: R28.2@6980.32,2490 U3.5@7075.51,2490
  Bottom Layer w11.81: v1(6025,1725) v1(6860,1725)
BOOT0: R31.2 U103.60 | length 266.8
  Top Layer w11.81: U103.60@5883.5,1698.9 5953.9,1698.9 6040,1785 R31.2@6040,1859.68
BOOT1: R35.2 U103.28 | length 769.3
  Top Layer w11.81: v1(5175,1220) 5175,1530 cw(c5206.1,1530) 5206.1,1561.1 U103.28@5446.5,1561.1 ; v1(5270,1220) 5270,1259.68 R35.2@5295,1284.68
  Bottom Layer w11.81: v1(5175,1220) v1(5270,1220)
EGND: EGND1.0 EGND2.0 EGND3.0 EGND4.0
  other v2: 4035,-560 7245,-555 3965,-530 4105,-530 7175,-525 7315,-525 3935,-460 4130,-460 7145,-455 7340,-455 3965,-390 4105,-390 7175,-385 7315,-385 4035,-365 7245,-360 7240,3325 4040,3330 7170,3355 7310,3355 3970,3360 4110,3360 7140,3425 7335,3425 3940,3430 4135,3430 7170,3495 7310,3495 3970,3500 4110,3500 7240,3520 4040,3525
GND: ADuM1.4 B1.3 C1.1 C2.1 C5.2 C18.1 C19.2 C20.1 C21.1 C22.1 C23.1 C24.2 C26.2 C27.2 C28.2 C29.1 C40.1 C41.1 C42.1 D22.K D28.1 D29.1 E4.2 E6.2 E7.2 GND.1 L5.1 P1.14 P2.14 Q1.2 Q2.2 R40.1 R41.1 R42.1 R43.1 R44.1 R51.2 R56.2 U1.10 U1.19 U2.10 U2.19 U3.1 U3.2 U3.3 U3.4 U3.7 U5.13 U5.14 U6.3 U6.9 U6.14 U6.16 U6.19 U6.29 U6.48 U8.1 | length 23005
  Top Layer w11.81: v1(6500,360) v1(6600,460) 6646.1,506.1 U6.3@6646.1,628.58 6646.1,670 ccw(c6634.37,670) 6634.37,681.73 U6.48@6553.58,681.73 ; U6.29@6744.53,951.42 6744.53,1119.53 cw(c6775,1119.53) v1(6775,1150) ; C21.1@6754.69,505 ccw(c6754.69,514.53) 6764.21,514.53 v1(6764.21,545) U6.9@6764.21,628.58 ; U6.14@6876.42,701.42 6931.42,701.42 ccw(c6931.42,710) 6940,710 ; U6.16@6876.42,740.79 6935.79,740.79 ccw(c6935.79,745) 6940,745 ; U6.19@6876.42,799.84 6925.16,799.84 cw(c6925.16,785) 6940,785 6940,710 ; C19.2@7008.43,1100 v1(6950,1100) C26.2@6950,1010.31 6964.69,1010.31 v1(7005,970) 7030,945 C18.1@7054.69,945 ; C27.2@7013.43,470 6945,470 6935,480 v1(6935,625) ccw(c6935,630) 6940,630 6940,710 ; C28.2@7115.31,580 D22.K@7115.31,715
  Top Layer w15.75: v1(4065,1915) 4130,1915 E7.2@4180,1865 ; C1.1@4659.69,2965 v3(4585,2965) 4245,2965 cw(c4245,3025) GND.1@4185,3025 v1(4065,3025) 4065,3190 4325,3450 v1@5230,3450 ; Q1.2@4731.26,2807.4 4847.4,2807.4 ; U1.19@4870.43,2962.2 4870.43,2830.43 ; U1.10@5075.16,2737.8 5075.16,2790 ccw(c5057.76,2790) 5057.76,2807.4 4893.46,2807.4 ; P1.14@5235,3265 5235,3450 v1@5230,3450 ; v1(5235,3445) ccw(c5230,3445) v1@5230,3450 ; ADuM1.4@5595,1004.49 v1(5595,1150) ; v3(6025,2965) C2.1@6084.69,2965 ; Q2.2@6151.26,2812.4 v3@6260,2812.4 ; U2.19@6275.43,2967.2 v3@6275.43,2827.83 ; P2.14@6590,3265 6640,3215 6760,3215 6790,3185 6790,2845 6757.4,2812.4 6500,2812.4 ; v1(6670,1390) C20.1@6714.69,1390 ; C21.1@6754.69,505 v1(6754.69,460) 6754.69,400.31 ccw(c6775,400.31) 6775,380 6790,380 cw(c6790,360) 6810,360 6810,310.31 cw(c6805,310.31) C29.1@6805,305.31 ; C5.2@6975.31,2345 6995,2345 ccw(c6995,2350) 7000,2350 cw(c7040,2350) 7040,2390 U3.7@7075.51,2390 U3.2@7284.49,2390 ; C22.1@7085.31,1395 7087.81,1392.5 v1(7127.5,1392.5) ; U3.1@7284.49,2340 U3.2@7284.49,2390 ; U3.4@7284.49,2490 U3.3@7284.49,2440 U3.2@7284.49,2390 ; 7285,2420 7285,2590 ccw(c7240,2590) 7240,2635 6505,2635 cw(c6505,2659.84) 6480.16,2659.84 U2.10@6480.16,2742.8 6480.16,2794.84 ; 4847.4,2807.4 ccw(c4847.4,2830.43) 4870.43,2830.43 ; 4847.4,2807.4 v3(4870.43,2807.4) ; v3(4870.43,2807.4) 4893.46,2807.4 ; v3(4870.43,2807.4) 4870.43,2830.43 ; 4870.43,2830.43 ccw(c4893.46,2830.43) 4893.46,2807.4 ; v3@6260,2812.4 v3@6290.87,2812.4 ; v3@6260,2812.4 v3@6264.57,2816.97 ; v3@6264.57,2816.97 6275.43,2816.97 v3@6275.43,2827.83 ; v3@6264.57,2816.97 v3@6275.43,2827.83 ; v3@6275.43,2827.83 v3@6290.87,2812.4 ; v3@6290.87,2812.4 6462.6,2812.4 ; 6462.6,2812.4 6480.16,2794.84 ; 6462.6,2812.4 6500,2812.4 ; 6480.16,2794.84 6482.44,2794.84 6500,2812.4
  Top Layer w19.68: v1(5275,1170) ccw(c5295,1170) 5295,1150 v1(5595,1150)
  Top Layer w23.62: v1(6285,420) C23.1@6334.69,420 ; v1(6285,700) R40.1@6334.69,700 R41.1@6334.69,770 R42.1@6334.69,840 R43.1@6334.69,910 R44.1@6334.69,980 v1(6285,980) ; C24.2@6500,305.31 v1(6500,360) ; R51.2@7120.32,390 7180,390 7205,415 7205,550 7180,575 C28.2@7120.31,575 7120.31,710 D22.K@7115.31,715 v1(7175,715)
  Top Layer w39.37: E6.2@4180,1485 ccw(c4155,1485) 4155,1510 4127.32,1510 cw(c4127.32,1552.32) 4085,1552.32 ; B1.3@4335,970 4335,1060 4365,1090 4500,1090 4535,1125 C41.1@4535,1284.69 ; D28.1@4455,1837.01 4427.01,1865 v3(4310,1865) E7.2@4180,1865 4125,1865 ccw(c4125,1825) 4085,1825 4085,1552.32 ; D28.1@4458.54,1840.55 U8.1@4637.13,1840.55 ; 4535,1155 cw(c4480,1155) 4480,1100 4140,1100 cw(c4140,1155) 4085,1155 4085,1552.32 ; C42.1@4535,1525.31 C40.1@4610,1525.31 D29.1@4707.68,1525.31 ; D29.1@4727.99,1495 4727.99,1375.43 E4.2@4753.43,1350 L5.1@4753.43,1260.83 ; D29.1@4737.99,1495 cw(c4737.99,1497.99) 4735,1497.99 4762.99,1470 v3(4805,1470)
  Bottom Layer w11.81: v1(6600,460) v1(6754.69,460) ; v1(6775,1150) 6932.93,1150 cw(c6932.93,1132.93) 6945,1145 cw(c6932.93,1132.93) 6950,1132.93 v1(6950,1100) ; v1(7005,970) 7150,970 7175,945 v1(7175,715)
  Bottom Layer w15.75: v1(4065,1915) v1(4065,3025) ; v3(4585,2965) 4585,2850 ccw(c4630,2850) 4630,2805 4868.03,2805 ccw(c4868.03,2807.4) v3(4870.43,2807.4) ; v1@5244.06,3440 6565,3440 cw(c6565,3415) 6590,3415 P2.14@6590,3265 ; v1(5595,1150) cw(c5615,1150) 5615,1170 6242.68,1170 cw(c6242.68,1127.68) 6285,1127.68 v1(6285,980) ; v3(6025,2965) 6025,2840 ccw(c6050,2840) 6050,2815 6270,2815 ccw(c6270,2820) v3(6275,2820) ; v1(6285,700) v1(6285,420) 6285,290 6285,-100 ccw(c6320,-100) 6320,-135 6375.16,-135 ccw(c6375.16,-129.92) U5.13@6380.24,-129.92 U5.13@6371.34,-129.92 ; v1(6764.21,545) 6792.93,545 cw(c6792.93,527.93) 6810,527.93 6810,475 ccw(c6825,475) 6825,460 6905,460 ccw(c6905,490) 6935,490 ; v1(6775,1150) 6675,1150 cw(c6675,1180) 6645,1180 6645,1329.64 cw(c6730.36,1329.64) v1(6670,1390) 7125,1390 ccw(c7125,1395) 7130,1395 v1(7127.5,1392.5) ; U5.14@7010.16,-129.92 6954.92,-129.92 6935,-110 6935,490 ; v1(7175,715) 7175,640 cw(c7160,640) 7160,625 v1(6935,625) 6935,490
  Bottom Layer w19.68: v3(4310,1865) 4310,1695 ccw(c4345,1695) 4345,1660 4465,1660 cw(c4465,1635) 4490,1635 4490,1445 ccw(c4520,1445) 4520,1415 4790,1415 ccw(c4790,1435) 4805,1421.77 ; v1(5275,1170) 4850,1170 cw(c4850,1215) 4805,1215 4805,1421.77 ; 4805,1421.77 ccw(c4790,1435) 4810,1435 4810,1465 ccw(c4805,1465) v3(4805,1470) 4805,1421.77
  Bottom Layer w23.62: 6285,290 ccw(c6305,290) 6305,270 6480,270 ccw(c6480,290) 6500,290 v1(6500,360)
  other v1: 6525,-265 6710,-265 6875,-265 7300,-200 7300,-80 7295,55 7310,745 7305,865 7305,995 3945,1130 6320,1345 6320,1400 3945,1500 3945,1870 3945,2240 3945,2610 6900,2715 3945,2980 7305,3230 4425,3550 4915,3550 5405,3550 5895,3550 6385,3550 6880,3550
GNDIN: ADuM1.5 B1.1 C3.1 C37.1 C38.2 C43.2 D26.1 D30.K E1.2 E2.2 E3.2 GNDIN.1 N1.3 P5.1 R23.1 R64.1 RS1.5 TVS1.2 TVS3.1 U*1.6 U*1.9 | length 8298.6
  Top Layer w15.75: U*1.9@4525,310 v1(4520,305) v1(4570,305) ; R64.1@4590.31,525 v1(4645,525) ; v1(4810,355) D26.1@4810,415 ; TVS3.1@5635,-49.02 5635,-373.79 ccw(c5686.21,-373.79) 5650,-410 ccw(c5698.28,-361.72) 5698.28,-430 6082.93,-430 ccw(c6082.93,-412.93) 6095,-425 6100.71,-419.29 ccw(c6030,-348.58) 6130,-348.58 TVS1.2@6130,-50 6190,-50 ; R23.1@6155.31,310 v1(6205,310) 6205,-35 cw(c6190,-35) 6190,-50 ; 6200.86,-50 6190,-50
  Top Layer w19.68: C43.2@4420.31,810 v1@4420.31,860 ; v1(5595,680) ADuM1.5@5595,795.51 5595,870 cw(c5620,870) 5620,895 6005,895 cw(c6005,875) 6025,875 v1(6025,845) N1.3@6025,781.89 ; D30.K@5655.31,475 5770,475 cw(c5770,430) v1(5815,430) RS1.5@5815,325.51
  Top Layer w31.5: C37.1@4440,65 4500,125 U*1.6@4500,202.4 U*1.9@4500,285
  Top Layer w39.37: 4060,845 4060,920 4085,920 B1.1@4135,970 ; 4075,65 4080,70 E1.2@4185,70 E2.2@4185,225 ; 4080,205 4105,230 E2.2@4180,230 ; 4095,620 E3.2@4180,620 ; E1.2@4190,65 C37.1@4440,65 ; R23.1@6155.31,310 C38.2@6155.31,390 C3.1@6155.31,465
  Top Layer w59.06: 4075,-155 4075,-230 4145,-300 4430,-300 P5.1@4450,-280
  Bottom Layer w15.75: v1(4480,305) v1(4520,305) v1(4570,305) ; v1(4645,525) 4605,525 ccw(c4605,490) 4570,490 v1(4570,305) ; v1(4810,355) 4810,320 cw(c4795,320) 4795,305 v1(4570,305)
  Bottom Layer w19.68: 5595,485 cw(c5585,485) 5585,475 5580,475 ccw(c5580,440) 5545,440 5545,360 ccw(c5595,360) 5595,310 v1(6205,310) ; v1(5595,680) 5595,465 ccw(c5625,465) 5625,435 5810,435 cw(c5810,430) v1(5815,430)
  Bottom Layer w23.62: v1(4810,355) 4810,515 cw(c4830,515) 4830,535 5275,535 ccw(c5275,560) 5300,560 5300,645 cw(c5330,645) 5330,675 5590,675 ccw(c5590,680) v1(5595,680) 5410,680
  Bottom Layer w27.56: B1.1@4135,970 4135,910 ccw(c4185,910) 4185,860 v1(4420,860)
  other v1: 5120,-555 5370,-555 6025,-555 5240,-550 5820,-550 4450,-545 4650,-545 3965,-140 3965,45 3965,230 3965,415 3965,600 3965,765
IN_OUT1: D1.K U1.2 U103.27 | length 2209.8
  Top Layer w11.81: U1.2@4870.43,2737.8 4870.43,2640.43 cw(c4860,2640.43) 4860,2630 4624.21,2630 ccw(c4624.21,2610) 4604.21,2610 D1.K@4604.21,2510.63 4644.37,2510.63 cw(c4644.37,2495) 4660,2495 4660,2140 ccw(c4680,2140) 4680,2120 4930,2120 cw(c4930,2080) 4970,2080 4970,1604.6 ccw(c4993.81,1604.6) 4993.81,1580.79 U103.27@5446.5,1580.79
IN_OUT2: D3.K U1.3 U103.26 | length 1922
  Top Layer w11.81: U1.3@4896.02,2737.8 4896.02,2626.02 cw(c4880,2626.02) 4880,2610 4760,2610 ccw(c4760,2596.01) 4746.01,2596.01 D3.K@4746.01,2510.63 4784.37,2510.63 cw(c4784.37,2485) 4810,2485 4810,2175 ccw(c4840,2175) 4840,2145 4945,2145 cw(c4945,2095) 4995,2095 4995,1618.25 ccw(c5012.77,1618.25) 5012.77,1600.47 U103.26@5446.5,1600.47
IN_OUT3: D5.K U1.4 U103.25 | length 1652.6
  Top Layer w11.81: U1.4@4921.61,2737.8 4921.61,2544.44 cw(c4887.81,2544.44) D5.K@4887.81,2510.63 4934.37,2510.63 cw(c4934.37,2490) 4955,2490 4955,2190 ccw(c4980,2190) 4980,2165 cw(c4980,2125) 5020,2125 5020,1635 ccw(c5035,1635) 5032.83,1620.16 U103.25@5446.5,1620.16
IN_OUT4: D7.K U1.5 U103.24 | length 1563.9
  Top Layer w11.81: U1.5@4947.2,2737.8 4947.2,2559.31 ccw(c4995.88,2559.31) 4995.88,2510.63 D7.K@5029.61,2510.63 5069.37,2510.63 cw(c5069.37,2490) 5090,2490 ; 5090,2485 5090,1660 ccw(c5110,1660) 5110,1640 5250,1640 ; 5239.84,1639.84 U103.24@5446.5,1639.84
IN_OUT5: D10.K U1.6 U103.23 | length 1533.8
  Top Layer w11.81: U1.6@4972.8,2737.8 4972.8,2596.9 ccw(c4984.7,2596.9) 4984.7,2585 5160,2585 cw(c5160,2570.17) 5174.83,2570.17 D10.K@5174.83,2510.63 5205,2510.63 cw(c5205,2495.63) 5220,2495.63 5220,1695.23 ; 5220,1710 5220,1694.47 ccw(c5254.94,1694.47) 5254.94,1659.53 U103.23@5446.5,1659.53
IN_OUT6: D9.K U1.7 U103.22 | length 1621.7
  Top Layer w11.81: U1.7@4998.39,2737.8 4998.39,2616.61 ccw(c5010,2616.61) 5010,2605 5280,2605 cw(c5280,2570.17) 5314.83,2570.17 D9.K@5314.83,2510.63 5255.7,2510.63 ccw(c5255.7,2495) 5240.07,2495 ; 5240,2495 5240,1750 5240,1697.61 ccw(c5258.39,1697.61) 5258.39,1679.21 U103.22@5446.5,1679.21
IN_OUT7: D13.K U1.8 U103.21 | length 1791.8
  Top Layer w11.81: U1.8@5023.98,2737.8 5023.98,2636.02 ccw(c5035,2636.02) 5035,2625 5425,2625 cw(c5425,2595) 5455,2595 D13.K@5455,2510.63 ccw(c5450.63,2510.63) 5450.63,2515 5395,2515 ccw(c5395,2490) 5370,2490 5370,2280 cw(c5335,2280) 5335,2245 5295,2245 ccw(c5295,2210) 5260,2210 5260,1717.81 ccw(c5278.91,1717.81) 5278.91,1698.9 U103.21@5446.5,1698.9
IN_OUT8: D15.K U1.9 U103.20 | length 1999.4
  Top Layer w11.81: U1.9@5049.57,2737.8 5049.57,2655.43 ccw(c5060,2655.43) 5060,2645 5575,2645 cw(c5575,2623.2) 5596.8,2623.2 D15.K@5596.8,2510.63 5540.63,2510.63 ccw(c5540.63,2495) 5525,2495 5525,2245 cw(c5505,2245) 5505,2225 5310,2225 ccw(c5310,2195) 5280,2195 5280,1738.01 ccw(c5299.43,1738.01) 5299.43,1718.58 U103.20@5446.5,1718.58
IN_OUT9: D2.K U2.2 U103.57 | length 2043.5
  Top Layer w11.81: U103.57@5883.5,1639.84 5987.48,1639.84 5987.48,1640 6045,1640 ccw(c6045,1670) 6075,1670 6075,2115 5945,2245 5840,2245 cw(c5840,2270) 5815,2270 5815,2490 ccw(c5795,2490) 5795,2510 D2.K@5740,2510 5740,2670 cw(c5755,2670) 5755,2685 6260,2685 ccw(c6260,2700.43) 6275.43,2700.43 U2.2@6275.43,2742.8